# KiCad board SparkFun_NEO-F10N_panelized.kicad_pcb
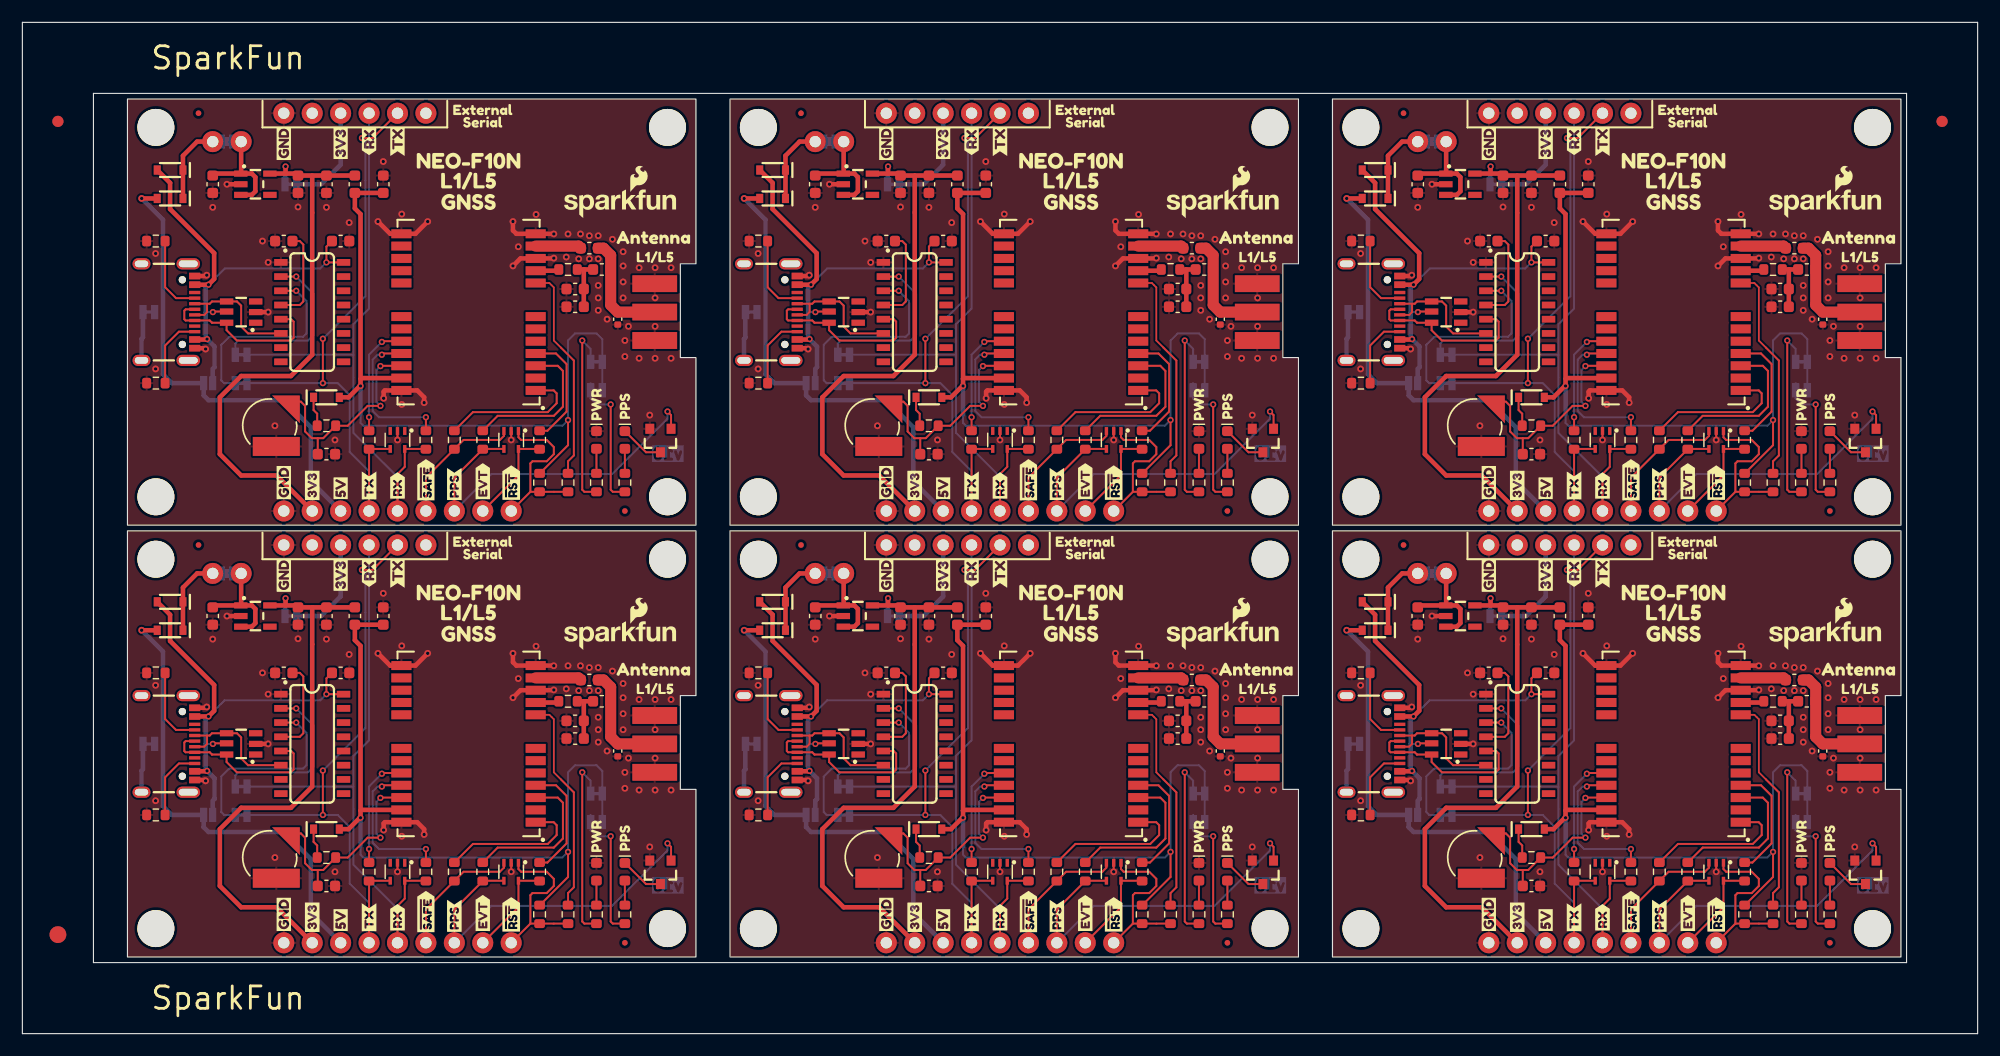
[diagram p0: board, top side]
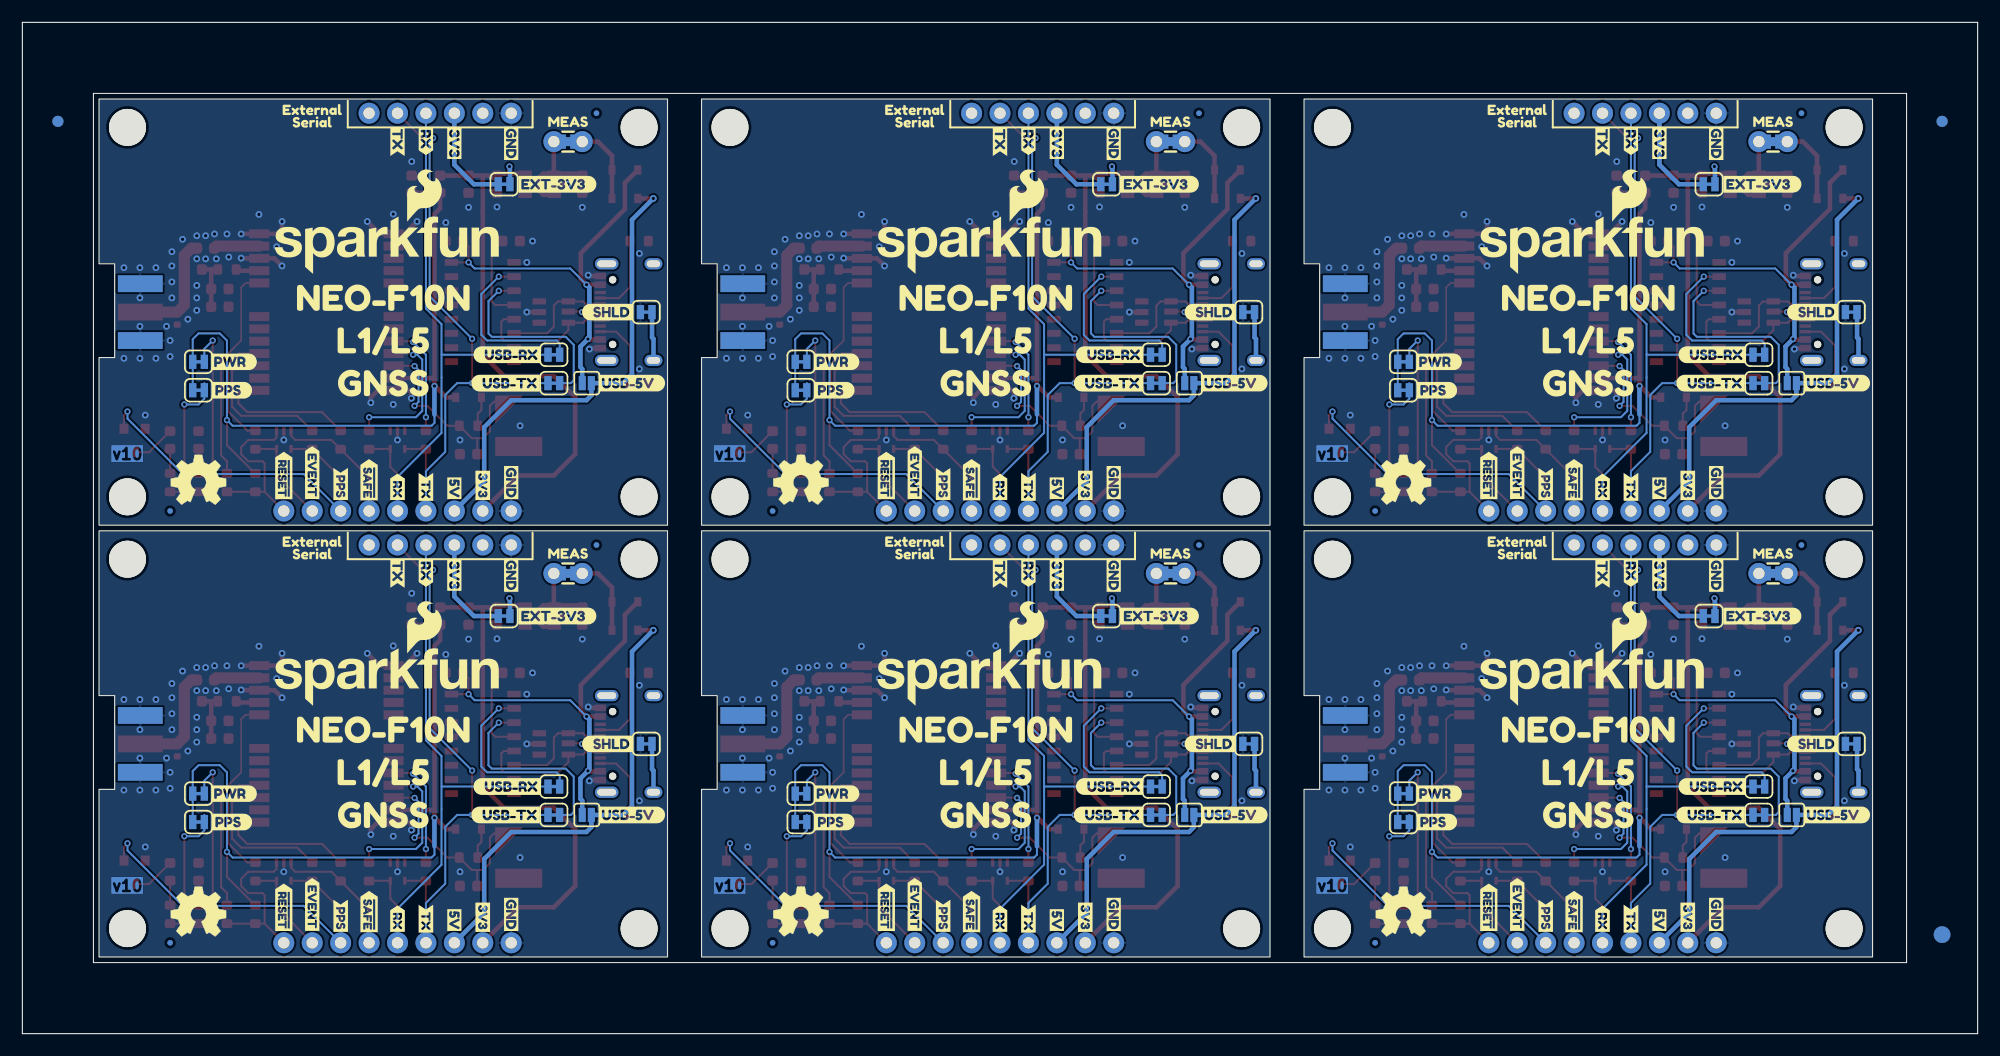
[diagram p1: board, bottom side, seen from below]

Outline 174.72 x 90.4 mm; copper layers: Top, Bottom. Coordinates in mm from the lower left corner of the outline.
Outline path: 9.39,45.45 9.39,83.55 60.19,83.55 60.19,68.82 58.79,68.82 58.79,60.44 60.19,60.44 60.19,45.45 closed ; 9.39,6.85 9.39,44.95 60.19,44.95 60.19,30.22 58.79,30.22 58.79,21.84 60.19,21.84 60.19,6.85 closed ; 63.23,45.45 63.23,83.55 114.03,83.55 114.03,68.82 112.63,68.82 112.63,60.44 114.03,60.44 114.03,45.45 closed ; 63.23,6.85 63.23,44.95 114.03,44.95 114.03,30.22 112.63,30.22 112.63,21.84 114.03,21.84 114.03,6.85 closed ; 117.07,45.45 117.07,83.55 167.87,83.55 167.87,68.82 166.47,68.82 166.47,60.44 167.87,60.44 167.87,45.45 closed ; 117.07,6.85 117.07,44.95 167.87,44.95 167.87,30.22 166.47,30.22 166.47,21.84 167.87,21.84 167.87,6.85 closed ; 0,90.4 174.72,90.4 174.72,0 0,0 0,90.4 ; 6.35,84.05 168.37,84.05 168.37,6.35 6.35,6.35 6.35,84.05
Stack: Top 0.035mm / dielectric 1.51mm FR4 er 4.5 / Bottom 0.035mm

## Placement (name value [footprint] x y rotation side)
BT1  6.8mm_ML414H  [ML414H_IV01E]  129.77 15.74 0 top
BT1#2  6.8mm_ML414H  [ML414H_IV01E]  75.93 15.74 0 top
BT1#3  6.8mm_ML414H  [ML414H_IV01E]  75.93 54.34 0 top
BT1#4  6.8mm_ML414H  [ML414H_IV01E]  129.77 54.34 0 top
BT1#5  6.8mm_ML414H  [ML414H_IV01E]  22.09 54.34 0 top
BT1#6  6.8mm_ML414H  [ML414H_IV01E]  22.09 15.74 0 top
C1  0.1uF  [C_0603_1608Metric]  17.01 75.93 270 top
C1#2  0.1uF  [C_0603_1608Metric]  70.85 37.33 270 top
C1#3  0.1uF  [C_0603_1608Metric]  124.69 37.33 270 top
C1#4  0.1uF  [C_0603_1608Metric]  124.69 75.93 270 top
C1#5  0.1uF  [C_0603_1608Metric]  70.85 75.93 270 top
C1#6  0.1uF  [C_0603_1608Metric]  17.01 37.33 270 top
C2  0.1uF  [C_0603_1608Metric]  24.63 37.33 270 top
C2#2  0.1uF  [C_0603_1608Metric]  24.63 75.93 270 top
C2#3  0.1uF  [C_0603_1608Metric]  132.31 37.33 270 top
C2#4  0.1uF  [C_0603_1608Metric]  132.31 75.93 270 top
C2#5  0.1uF  [C_0603_1608Metric]  78.47 37.33 270 top
C2#6  0.1uF  [C_0603_1608Metric]  78.47 75.93 270 top
C3  1.0uF  [C_0603_1608Metric]  27.17 51.8 0 top
C3#2  1.0uF  [C_0603_1608Metric]  134.85 13.2 0 top
C3#3  1.0uF  [C_0603_1608Metric]  81.01 51.8 0 top
C3#4  1.0uF  [C_0603_1608Metric]  81.01 13.2 0 top
C3#5  1.0uF  [C_0603_1608Metric]  134.85 51.8 0 top
C3#6  1.0uF  [C_0603_1608Metric]  27.17 13.2 0 top
C4  0.1uF  [C_0603_1608Metric]  157.07 26.38 180 top
C4#2  0.1uF  [C_0603_1608Metric]  49.39 64.98 180 top
C4#3  0.1uF  [C_0603_1608Metric]  103.23 26.38 180 top
C4#4  0.1uF  [C_0603_1608Metric]  103.23 64.98 180 top
C4#5  0.1uF  [C_0603_1608Metric]  157.07 64.98 180 top
C4#6  0.1uF  [C_0603_1608Metric]  49.39 26.38 180 top
C6  47pF  [C_0603_1608Metric]  49.39 66.56 180 top
C6#2  47pF  [C_0603_1608Metric]  157.07 27.96 180 top
C6#3  47pF  [C_0603_1608Metric]  103.23 27.96 180 top
C6#4  47pF  [C_0603_1608Metric]  103.23 66.56 180 top
C6#5  47pF  [C_0603_1608Metric]  157.07 66.56 180 top
C6#6  47pF  [C_0603_1608Metric]  49.39 27.96 180 top
C7  47pF  [C_0603_1608Metric]  50.66 70.22 180 top
C7#2  47pF  [C_0603_1608Metric]  104.5 70.22 180 top
C7#3  47pF  [C_0603_1608Metric]  158.34 31.61 180 top
C7#4  47pF  [C_0603_1608Metric]  158.34 70.22 180 top
C7#5  47pF  [C_0603_1608Metric]  104.5 31.61 180 top
C7#6  47pF  [C_0603_1608Metric]  50.66 31.61 180 top
C8  1.0uF  [C_0603_1608Metric]  134.85 37.33 270 top
C8#2  1.0uF  [C_0603_1608Metric]  81.01 75.93 270 top
C8#3  1.0uF  [C_0603_1608Metric]  27.17 75.93 270 top
C8#4  1.0uF  [C_0603_1608Metric]  81.01 37.33 270 top
C8#5  1.0uF  [C_0603_1608Metric]  134.85 75.93 270 top
C8#6  1.0uF  [C_0603_1608Metric]  27.17 37.33 270 top
C12  0.1uF  [C_0603_1608Metric]  136.12 32.25 0 top
C12#2  0.1uF  [C_0603_1608Metric]  82.28 32.25 0 top
C12#3  0.1uF  [C_0603_1608Metric]  136.12 70.85 0 top
C12#4  0.1uF  [C_0603_1608Metric]  82.28 70.85 0 top
C12#5  0.1uF  [C_0603_1608Metric]  28.44 70.85 0 top
C12#6  0.1uF  [C_0603_1608Metric]  28.44 32.25 0 top
C13  0.1uF  [C_0603_1608Metric]  77.2 70.85 180 top
C13#2  0.1uF  [C_0603_1608Metric]  77.2 32.25 180 top
C13#3  0.1uF  [C_0603_1608Metric]  23.36 70.85 180 top
C13#4  0.1uF  [C_0603_1608Metric]  131.04 70.85 180 top
C13#5  0.1uF  [C_0603_1608Metric]  131.04 32.25 180 top
C13#6  0.1uF  [C_0603_1608Metric]  23.36 32.25 180 top
C16  0.1uF  [C_0603_1608Metric]  86.09 75.93 90 top
C16#2  0.1uF  [C_0603_1608Metric]  139.93 37.33 90 top
C16#3  0.1uF  [C_0603_1608Metric]  139.93 75.93 90 top
C16#4  0.1uF  [C_0603_1608Metric]  86.09 37.33 90 top
C16#5  0.1uF  [C_0603_1608Metric]  32.25 75.93 90 top
C16#6  0.1uF  [C_0603_1608Metric]  32.25 37.33 90 top
D1  Red  [LED_0603_1608Metric]  51.3 14.47 270 top
D1#2  Red  [LED_0603_1608Metric]  105.14 53.07 270 top
D1#3  Red  [LED_0603_1608Metric]  158.98 14.47 270 top
D1#4  Red  [LED_0603_1608Metric]  158.98 53.07 270 top
D1#5  Red  [LED_0603_1608Metric]  51.3 53.07 270 top
D1#6  Red  [LED_0603_1608Metric]  105.14 14.47 270 top
D2  TVS_ESD_4  [SOT-353]  33.52 14.47 270 top
D2#2  TVS_ESD_4  [SOT-353]  33.52 53.07 270 top
D2#3  TVS_ESD_4  [SOT-353]  87.36 53.07 270 top
D2#4  TVS_ESD_4  [SOT-353]  87.36 14.47 270 top
D2#5  TVS_ESD_4  [SOT-353]  141.2 14.47 270 top
D2#6  TVS_ESD_4  [SOT-353]  141.2 53.07 270 top
D3  TVS_ESD_4  [SOT-353]  97.52 53.07 270 top
D3#2  TVS_ESD_4  [SOT-353]  97.52 14.47 270 top
D3#3  TVS_ESD_4  [SOT-353]  151.36 14.47 270 top
D3#4  TVS_ESD_4  [SOT-353]  43.68 53.07 270 top
D3#5  TVS_ESD_4  [SOT-353]  151.36 53.07 270 top
D3#6  TVS_ESD_4  [SOT-353]  43.68 14.47 270 top
D4  Yellow  [LED_0603_1608Metric]  53.84 14.47 270 top
D4#2  Yellow  [LED_0603_1608Metric]  53.84 53.07 270 top
D4#3  Yellow  [LED_0603_1608Metric]  161.52 53.07 270 top
D4#4  Yellow  [LED_0603_1608Metric]  107.68 14.47 270 top
D4#5  Yellow  [LED_0603_1608Metric]  161.52 14.47 270 top
D4#6  Yellow  [LED_0603_1608Metric]  107.68 53.07 270 top
D5  0.5A  [SOD-323]  27.17 18.28 0 top
D5#2  0.5A  [SOD-323]  81.01 56.88 0 top
D5#3  0.5A  [SOD-323]  134.85 18.28 0 top
D5#4  0.5A  [SOD-323]  27.17 56.88 0 top
D5#5  0.5A  [SOD-323]  134.85 56.88 0 top
D5#6  0.5A  [SOD-323]  81.01 18.28 0 top
D6  TVS_0402  [C_0402_1005Metric]  160.88 63.86 90 top
D6#2  TVS_0402  [C_0402_1005Metric]  107.04 63.86 90 top
D6#3  TVS_0402  [C_0402_1005Metric]  53.2 63.86 90 top
D6#4  TVS_0402  [C_0402_1005Metric]  107.04 25.26 90 top
D6#5  TVS_0402  [C_0402_1005Metric]  160.88 25.26 90 top
D6#6  TVS_0402  [C_0402_1005Metric]  53.2 25.26 90 top
D7  0.5A  [SOD-323]  13.2 38.6 180 top
D7#2  0.5A  [SOD-323]  120.88 38.6 180 top
D7#3  0.5A  [SOD-323]  67.04 38.6 180 top
D7#4  0.5A  [SOD-323]  13.2 77.2 180 top
D7#5  0.5A  [SOD-323]  120.88 77.2 180 top
D7#6  0.5A  [SOD-323]  67.04 77.2 180 top
D8  0.5A  [SOD-323]  13.2 74.66 180 top
D8#2  0.5A  [SOD-323]  67.04 36.06 180 top
D8#3  0.5A  [SOD-323]  67.04 74.66 180 top
D8#4  0.5A  [SOD-323]  120.88 36.06 180 top
D8#5  0.5A  [SOD-323]  120.88 74.66 180 top
D8#6  0.5A  [SOD-323]  13.2 36.06 180 top
FID1  Fiducial_0.5mm  [Fiducial_0.5mm_Mask1mm]  53.84 46.72 180 bottom
FID1#2  Fiducial_0.5mm  [Fiducial_0.5mm_Mask1mm]  107.68 8.12 180 bottom
FID1#3  Fiducial_0.5mm  [Fiducial_0.5mm_Mask1mm]  107.68 46.72 180 bottom
FID1#4  Fiducial_0.5mm  [Fiducial_0.5mm_Mask1mm]  161.52 8.12 180 bottom
FID1#5  Fiducial_0.5mm  [Fiducial_0.5mm_Mask1mm]  161.52 46.72 180 bottom
FID1#6  Fiducial_0.5mm  [Fiducial_0.5mm_Mask1mm]  53.84 8.12 180 bottom
FID2  Fiducial_0.5mm  [Fiducial_0.5mm_Mask1mm]  69.58 82.28 180 bottom
FID2#2  Fiducial_0.5mm  [Fiducial_0.5mm_Mask1mm]  69.58 43.68 180 bottom
FID2#3  Fiducial_0.5mm  [Fiducial_0.5mm_Mask1mm]  123.42 43.68 180 bottom
FID2#4  Fiducial_0.5mm  [Fiducial_0.5mm_Mask1mm]  15.74 82.28 180 bottom
FID2#5  Fiducial_0.5mm  [Fiducial_0.5mm_Mask1mm]  123.42 82.28 180 bottom
FID2#6  Fiducial_0.5mm  [Fiducial_0.5mm_Mask1mm]  15.74 43.68 180 bottom
FID3  Fiducial_0.5mm  [Fiducial_0.5mm_Mask1mm]  15.74 43.68 0 top
FID3#2  Fiducial_0.5mm  [Fiducial_0.5mm_Mask1mm]  69.58 82.28 0 top
FID3#3  Fiducial_0.5mm  [Fiducial_0.5mm_Mask1mm]  15.74 82.28 0 top
FID3#4  Fiducial_0.5mm  [Fiducial_0.5mm_Mask1mm]  123.42 82.28 0 top
FID3#5  Fiducial_0.5mm  [Fiducial_0.5mm_Mask1mm]  69.58 43.68 0 top
FID3#6  Fiducial_0.5mm  [Fiducial_0.5mm_Mask1mm]  123.42 43.68 0 top
FID4  Fiducial_0.5mm  [Fiducial_0.5mm_Mask1mm]  107.68 8.12 0 top
FID4#2  Fiducial_0.5mm  [Fiducial_0.5mm_Mask1mm]  161.52 46.72 0 top
FID4#3  Fiducial_0.5mm  [Fiducial_0.5mm_Mask1mm]  161.52 8.12 0 top
FID4#4  Fiducial_0.5mm  [Fiducial_0.5mm_Mask1mm]  53.84 46.72 0 top
FID4#5  Fiducial_0.5mm  [Fiducial_0.5mm_Mask1mm]  107.68 46.72 0 top
FID4#6  Fiducial_0.5mm  [Fiducial_0.5mm_Mask1mm]  53.84 8.12 0 top
G1  OSHW_Logo  [Creative_Commons_License]  15.74 -10.93 0 top
G***  LOGO  [SparkFun_Logo_10mm]  161.04 35.74 0 top
G***#2  LOGO  [SparkFun_Logo_10mm]  107.2 35.74 0 top
G***#3  LOGO  [SparkFun_Logo_10mm]  53.36 74.34 0 top
G***#4  LOGO  [SparkFun_Logo_10mm]  107.2 74.34 0 top
G***#5  LOGO  [SparkFun_Logo_10mm]  161.04 74.34 0 top
G***#6  LOGO  [SparkFun_Logo_10mm]  53.36 35.74 0 top
G***#7  LOGO  [SparkFun_Logo_20mm]  142.47 32.25 180 bottom
G***#8  LOGO  [SparkFun_Logo_20mm]  34.79 70.85 180 bottom
G***#9  LOGO  [SparkFun_Logo_20mm]  88.63 32.25 180 bottom
G***#10  LOGO  [SparkFun_Logo_20mm]  88.63 70.85 180 bottom
G***#11  LOGO  [SparkFun_Logo_20mm]  142.47 70.85 180 bottom
G***#12  LOGO  [SparkFun_Logo_20mm]  34.79 32.25 180 bottom
J1  USB_C_Receptacle  [USB-C-16P]  15.74 25.9 270 top
J1#2  USB_C_Receptacle  [USB-C-16P]  69.58 25.9 270 top
J1#3  USB_C_Receptacle  [USB-C-16P]  69.58 64.5 270 top
J1#4  USB_C_Receptacle  [USB-C-16P]  123.42 25.9 270 top
J1#5  USB_C_Receptacle  [USB-C-16P]  15.74 64.5 270 top
J1#6  USB_C_Receptacle  [USB-C-16P]  123.42 64.5 270 top
J2  Conn_01x09  [1X09]  43.68 8.12 180 top
J2#2  Conn_01x09  [1X09]  97.52 46.72 180 top
J2#3  Conn_01x09  [1X09]  151.36 46.72 180 top
J2#4  Conn_01x09  [1X09]  43.68 46.72 180 top
J2#5  Conn_01x09  [1X09]  97.52 8.12 180 top
J2#6  Conn_01x09  [1X09]  151.36 8.12 180 top
J4  Conn_01x06  [1X06]  143.74 82.28 180 top
J4#2  Conn_01x06  [1X06]  36.06 82.28 180 top
J4#3  Conn_01x06  [1X06]  89.9 43.68 180 top
J4#4  Conn_01x06  [1X06]  89.9 82.28 180 top
J4#5  Conn_01x06  [1X06]  143.74 43.68 180 top
J4#6  Conn_01x06  [1X06]  36.06 43.68 180 top
J5  SMA_EdgeMount  [SMA-EDGE]  110.35 64.5 270 top
J5#2  SMA_EdgeMount  [SMA-EDGE]  56.51 64.5 270 top
J5#3  SMA_EdgeMount  [SMA-EDGE]  110.35 25.9 270 top
J5#4  SMA_EdgeMount  [SMA-EDGE]  164.19 25.9 270 top
J5#5  SMA_EdgeMount  [SMA-EDGE]  164.19 64.5 270 top
J5#6  SMA_EdgeMount  [SMA-EDGE]  56.51 25.9 270 top
JP1  ~  [SMT-JUMPER_2_NC_TRACE_SILK]  127.23 22.09 0 bottom
JP1#2  ~  [SMT-JUMPER_2_NC_TRACE_SILK]  19.55 60.69 0 bottom
JP1#3  ~  [SMT-JUMPER_2_NC_TRACE_SILK]  73.39 60.69 0 bottom
JP1#4  ~  [SMT-JUMPER_2_NC_TRACE_SILK]  73.39 22.09 0 bottom
JP1#5  ~  [SMT-JUMPER_2_NC_TRACE_SILK]  127.23 60.69 0 bottom
JP1#6  ~  [SMT-JUMPER_2_NC_TRACE_SILK]  19.55 22.09 0 bottom
JP2  ~  [SMT-JUMPER_2_NC_TRACE_SILK]  105.14 21.46 0 bottom
JP2#2  ~  [SMT-JUMPER_2_NC_TRACE_SILK]  105.14 60.06 0 bottom
JP2#3  ~  [SMT-JUMPER_2_NC_TRACE_SILK]  158.98 21.46 0 bottom
JP2#4  ~  [SMT-JUMPER_2_NC_TRACE_SILK]  158.98 60.06 0 bottom
JP2#5  ~  [SMT-JUMPER_2_NC_TRACE_SILK]  51.3 60.06 0 bottom
JP2#6  ~  [SMT-JUMPER_2_NC_TRACE_SILK]  51.3 21.46 0 bottom
JP3  ~  [SMT-JUMPER_2_NC_TRACE_SILK]  105.14 18.91 0 bottom
JP3#2  ~  [SMT-JUMPER_2_NC_TRACE_SILK]  51.3 57.52 0 bottom
JP3#3  ~  [SMT-JUMPER_2_NC_TRACE_SILK]  105.14 57.52 0 bottom
JP3#4  ~  [SMT-JUMPER_2_NC_TRACE_SILK]  158.98 18.91 0 bottom
JP3#5  ~  [SMT-JUMPER_2_NC_TRACE_SILK]  158.98 57.52 0 bottom
JP3#6  ~  [SMT-JUMPER_2_NC_TRACE_SILK]  51.3 18.91 0 bottom
JP4  ~  [SMT-JUMPER_2_NC_TRACE_SILK]  73.39 58.15 0 bottom
JP4#2  ~  [SMT-JUMPER_2_NC_TRACE_SILK]  73.39 19.55 0 bottom
JP4#3  ~  [SMT-JUMPER_2_NC_TRACE_SILK]  19.55 58.15 0 bottom
JP4#4  ~  [SMT-JUMPER_2_NC_TRACE_SILK]  127.23 19.55 0 bottom
JP4#5  ~  [SMT-JUMPER_2_NC_TRACE_SILK]  127.23 58.15 0 bottom
JP4#6  ~  [SMT-JUMPER_2_NC_TRACE_SILK]  19.55 19.55 0 bottom
JP5  Measure  [COMBO-JUMPER_2_NC_TRACE]  18.28 79.74 0 bottom
JP5#2  Measure  [COMBO-JUMPER_2_NC_TRACE]  125.96 79.74 0 bottom
JP5#3  Measure  [COMBO-JUMPER_2_NC_TRACE]  72.12 41.14 0 bottom
JP5#4  Measure  [COMBO-JUMPER_2_NC_TRACE]  125.96 41.14 0 bottom
JP5#5  Measure  [COMBO-JUMPER_2_NC_TRACE]  72.12 79.74 0 bottom
JP5#6  Measure  [COMBO-JUMPER_2_NC_TRACE]  18.28 41.14 0 bottom
JP6  ~  [SMT-JUMPER_2_NO_SILK]  16.6 58.15 0 bottom
JP6#2  ~  [SMT-JUMPER_2_NO_SILK]  124.28 58.15 0 bottom
JP6#3  ~  [SMT-JUMPER_2_NO_SILK]  70.44 19.55 0 bottom
JP6#4  ~  [SMT-JUMPER_2_NO_SILK]  70.44 58.15 0 bottom
JP6#5  ~  [SMT-JUMPER_2_NO_SILK]  124.28 19.55 0 bottom
JP6#6  ~  [SMT-JUMPER_2_NO_SILK]  16.6 19.55 0 bottom
JP7  ~  [SMT-JUMPER_2_NC_TRACE_SILK]  65.13 25.9 180 bottom
JP7#2  ~  [SMT-JUMPER_2_NC_TRACE_SILK]  118.97 25.9 180 bottom
JP7#3  ~  [SMT-JUMPER_2_NC_TRACE_SILK]  11.29 64.5 180 bottom
JP7#4  ~  [SMT-JUMPER_2_NC_TRACE_SILK]  118.97 64.5 180 bottom
JP7#5  ~  [SMT-JUMPER_2_NC_TRACE_SILK]  65.13 64.5 180 bottom
JP7#6  ~  [SMT-JUMPER_2_NC_TRACE_SILK]  11.29 25.9 180 bottom
JP8  ~  [SMT-JUMPER_2_NC_TRACE_SILK]  23.99 75.93 180 bottom
JP8#2  ~  [SMT-JUMPER_2_NC_TRACE_SILK]  77.83 37.33 180 bottom
JP8#3  ~  [SMT-JUMPER_2_NC_TRACE_SILK]  131.67 75.93 180 bottom
JP8#4  ~  [SMT-JUMPER_2_NC_TRACE_SILK]  77.83 75.93 180 bottom
JP8#5  ~  [SMT-JUMPER_2_NC_TRACE_SILK]  131.67 37.33 180 bottom
JP8#6  ~  [SMT-JUMPER_2_NC_TRACE_SILK]  23.99 37.33 180 bottom
kibuzzard-64C2E6A3  G***  [kibuzzard-64C2E6A3]  51.3 17.65 90 top
kibuzzard-64C2E6A3#2  G***  [kibuzzard-64C2E6A3]  51.3 56.25 90 top
kibuzzard-64C2E6A3#3  G***  [kibuzzard-64C2E6A3]  105.14 17.65 90 top
kibuzzard-64C2E6A3#4  G***  [kibuzzard-64C2E6A3]  105.14 56.25 90 top
kibuzzard-64C2E6A3#5  G***  [kibuzzard-64C2E6A3]  158.98 17.65 90 top
kibuzzard-64C2E6A3#6  G***  [kibuzzard-64C2E6A3]  158.98 56.25 90 top
kibuzzard-64C2E6BD  G***  [kibuzzard-64C2E6BD]  53.84 17.49 90 top
kibuzzard-64C2E6BD#2  G***  [kibuzzard-64C2E6BD]  107.68 56.09 90 top
kibuzzard-64C2E6BD#3  G***  [kibuzzard-64C2E6BD]  53.84 56.09 90 top
kibuzzard-64C2E6BD#4  G***  [kibuzzard-64C2E6BD]  161.52 17.49 90 top
kibuzzard-64C2E6BD#5  G***  [kibuzzard-64C2E6BD]  161.52 56.09 90 top
kibuzzard-64C2E6BD#6  G***  [kibuzzard-64C2E6BD]  107.68 17.49 90 top
kibuzzard-64C2EB16  G***  [kibuzzard-64C2EB16]  56.38 32.57 0 top
kibuzzard-64C2EB16#2  G***  [kibuzzard-64C2EB16]  164.06 32.57 0 top
kibuzzard-64C2EB16#3  G***  [kibuzzard-64C2EB16]  56.38 71.17 0 top
kibuzzard-64C2EB16#4  G***  [kibuzzard-64C2EB16]  110.22 32.57 0 top
kibuzzard-64C2EB16#5  G***  [kibuzzard-64C2EB16]  110.22 71.17 0 top
kibuzzard-64C2EB16#6  G***  [kibuzzard-64C2EB16]  164.06 71.17 0 top
kibuzzard-64D296AE  G***  [kibuzzard-64D296AE]  93.71 35.74 0 top
kibuzzard-64D296AE#2  G***  [kibuzzard-64D296AE]  93.71 74.34 0 top
kibuzzard-64D296AE#3  G***  [kibuzzard-64D296AE]  147.55 35.74 0 top
kibuzzard-64D296AE#4  G***  [kibuzzard-64D296AE]  147.55 74.34 0 top
kibuzzard-64D296AE#5  G***  [kibuzzard-64D296AE]  39.87 74.34 0 top
kibuzzard-64D296AE#6  G***  [kibuzzard-64D296AE]  39.87 35.74 0 top
kibuzzard-64E773DA  G***  [kibuzzard-64E773DA]  77.2 79.58 90 top
kibuzzard-64E773DA#2  G***  [kibuzzard-64E773DA]  77.2 40.98 90 top
kibuzzard-64E773DA#3  G***  [kibuzzard-64E773DA]  23.36 79.58 90 top
kibuzzard-64E773DA#4  G***  [kibuzzard-64E773DA]  131.04 40.98 90 top
kibuzzard-64E773DA#5  G***  [kibuzzard-64E773DA]  131.04 79.58 90 top
kibuzzard-64E773DA#6  G***  [kibuzzard-64E773DA]  23.36 40.98 90 top
kibuzzard-64E773DA#7  G***  [kibuzzard-64E773DA]  23.36 79.58 270 bottom
kibuzzard-64E773DA#8  G***  [kibuzzard-64E773DA]  77.2 40.98 270 bottom
kibuzzard-64E773DA#9  G***  [kibuzzard-64E773DA]  77.2 79.58 270 bottom
kibuzzard-64E773DA#10  G***  [kibuzzard-64E773DA]  131.04 79.58 270 bottom
kibuzzard-64E773DA#11  G***  [kibuzzard-64E773DA]  131.04 40.98 270 bottom
kibuzzard-64E773DA#12  G***  [kibuzzard-64E773DA]  23.36 40.98 270 bottom
kibuzzard-64E774E1  G***  [kibuzzard-64E774E1]  23.36 10.66 90 top
kibuzzard-64E774E1#2  G***  [kibuzzard-64E774E1]  77.2 10.66 90 top
kibuzzard-64E774E1#3  G***  [kibuzzard-64E774E1]  23.36 49.26 90 top
kibuzzard-64E774E1#4  G***  [kibuzzard-64E774E1]  131.04 10.66 90 top
kibuzzard-64E774E1#5  G***  [kibuzzard-64E774E1]  131.04 49.26 90 top
kibuzzard-64E774E1#6  G***  [kibuzzard-64E774E1]  77.2 49.26 90 top
kibuzzard-64E774E7  G***  [kibuzzard-64E774E7]  77.2 49.26 270 bottom
kibuzzard-64E774E7#2  G***  [kibuzzard-64E774E7]  131.04 49.26 270 bottom
kibuzzard-64E774E7#3  G***  [kibuzzard-64E774E7]  77.2 10.66 270 bottom
kibuzzard-64E774E7#4  G***  [kibuzzard-64E774E7]  131.04 10.66 270 bottom
kibuzzard-64E774E7#5  G***  [kibuzzard-64E774E7]  23.36 49.26 270 bottom
kibuzzard-64E774E7#6  G***  [kibuzzard-64E774E7]  23.36 10.66 270 bottom
kibuzzard-64E774EF  G***  [kibuzzard-64E774EF]  28.44 10.15 90 top
kibuzzard-64E774EF#2  G***  [kibuzzard-64E774EF]  136.12 48.75 90 top
kibuzzard-64E774EF#3  G***  [kibuzzard-64E774EF]  82.28 10.15 90 top
kibuzzard-64E774EF#4  G***  [kibuzzard-64E774EF]  82.28 48.75 90 top
kibuzzard-64E774EF#5  G***  [kibuzzard-64E774EF]  136.12 10.15 90 top
kibuzzard-64E774EF#6  G***  [kibuzzard-64E774EF]  28.44 48.75 90 top
kibuzzard-64E774F5  G***  [kibuzzard-64E774F5]  136.12 48.75 270 bottom
kibuzzard-64E774F5#2  G***  [kibuzzard-64E774F5]  28.44 48.75 270 bottom
kibuzzard-64E774F5#3  G***  [kibuzzard-64E774F5]  82.28 10.15 270 bottom
kibuzzard-64E774F5#4  G***  [kibuzzard-64E774F5]  82.28 48.75 270 bottom
kibuzzard-64E774F5#5  G***  [kibuzzard-64E774F5]  136.12 10.15 270 bottom
kibuzzard-64E774F5#6  G***  [kibuzzard-64E774F5]  28.44 10.15 270 bottom
kibuzzard-654D4A62  G***  [kibuzzard-654D4A62]  56.54 69.42 0 top
kibuzzard-654D4A62#2  G***  [kibuzzard-654D4A62]  110.38 69.42 0 top
kibuzzard-654D4A62#3  G***  [kibuzzard-654D4A62]  164.22 30.82 0 top
kibuzzard-654D4A62#4  G***  [kibuzzard-654D4A62]  164.22 69.42 0 top
kibuzzard-654D4A62#5  G***  [kibuzzard-654D4A62]  110.38 30.82 0 top
kibuzzard-654D4A62#6  G***  [kibuzzard-654D4A62]  56.54 30.82 0 top
kibuzzard-654D4E9F  G***  [kibuzzard-654D4E9F]  141.2 48.88 270 bottom
kibuzzard-654D4E9F#2  G***  [kibuzzard-654D4E9F]  87.36 48.88 270 bottom
kibuzzard-654D4E9F#3  G***  [kibuzzard-654D4E9F]  141.2 10.28 270 bottom
kibuzzard-654D4E9F#4  G***  [kibuzzard-654D4E9F]  33.52 48.88 270 bottom
kibuzzard-654D4E9F#5  G***  [kibuzzard-654D4E9F]  87.36 10.28 270 bottom
kibuzzard-654D4E9F#6  G***  [kibuzzard-654D4E9F]  33.52 10.28 270 bottom
kibuzzard-654D4E65  G***  [kibuzzard-654D4E65]  148.82 50.15 270 bottom
kibuzzard-654D4E65#2  G***  [kibuzzard-654D4E65]  41.14 50.15 270 bottom
kibuzzard-654D4E65#3  G***  [kibuzzard-654D4E65]  148.82 11.55 270 bottom
kibuzzard-654D4E65#4  G***  [kibuzzard-654D4E65]  94.98 11.55 270 bottom
kibuzzard-654D4E65#5  G***  [kibuzzard-654D4E65]  94.98 50.15 270 bottom
kibuzzard-654D4E65#6  G***  [kibuzzard-654D4E65]  41.14 11.55 270 bottom
kibuzzard-654D4E82  G***  [kibuzzard-654D4E82]  92.44 10.53 270 bottom
kibuzzard-654D4E82#2  G***  [kibuzzard-654D4E82]  38.6 49.13 270 bottom
kibuzzard-654D4E82#3  G***  [kibuzzard-654D4E82]  92.44 49.13 270 bottom
kibuzzard-654D4E82#4  G***  [kibuzzard-654D4E82]  146.28 10.53 270 bottom
kibuzzard-654D4E82#5  G***  [kibuzzard-654D4E82]  146.28 49.13 270 bottom
kibuzzard-654D4E82#6  G***  [kibuzzard-654D4E82]  38.6 10.53 270 bottom
kibuzzard-654D4EBD  G***  [kibuzzard-654D4EBD]  30.98 48.88 270 bottom
kibuzzard-654D4EBD#2  G***  [kibuzzard-654D4EBD]  84.82 48.88 270 bottom
kibuzzard-654D4EBD#3  G***  [kibuzzard-654D4EBD]  138.66 10.28 270 bottom
kibuzzard-654D4EBD#4  G***  [kibuzzard-654D4EBD]  138.66 48.88 270 bottom
kibuzzard-654D4EBD#5  G***  [kibuzzard-654D4EBD]  84.82 10.28 270 bottom
kibuzzard-654D4EBD#6  G***  [kibuzzard-654D4EBD]  30.98 10.28 270 bottom
kibuzzard-654D22C2  G***  [kibuzzard-654D22C2]  25.9 49.01 90 top
kibuzzard-654D22C2#2  G***  [kibuzzard-654D22C2]  79.74 10.41 90 top
kibuzzard-654D22C2#3  G***  [kibuzzard-654D22C2]  79.74 49.01 90 top
kibuzzard-654D22C2#4  G***  [kibuzzard-654D22C2]  133.58 10.41 90 top
kibuzzard-654D22C2#5  G***  [kibuzzard-654D22C2]  133.58 49.01 90 top